# KiCad board ECU.kicad_pcb (continued)
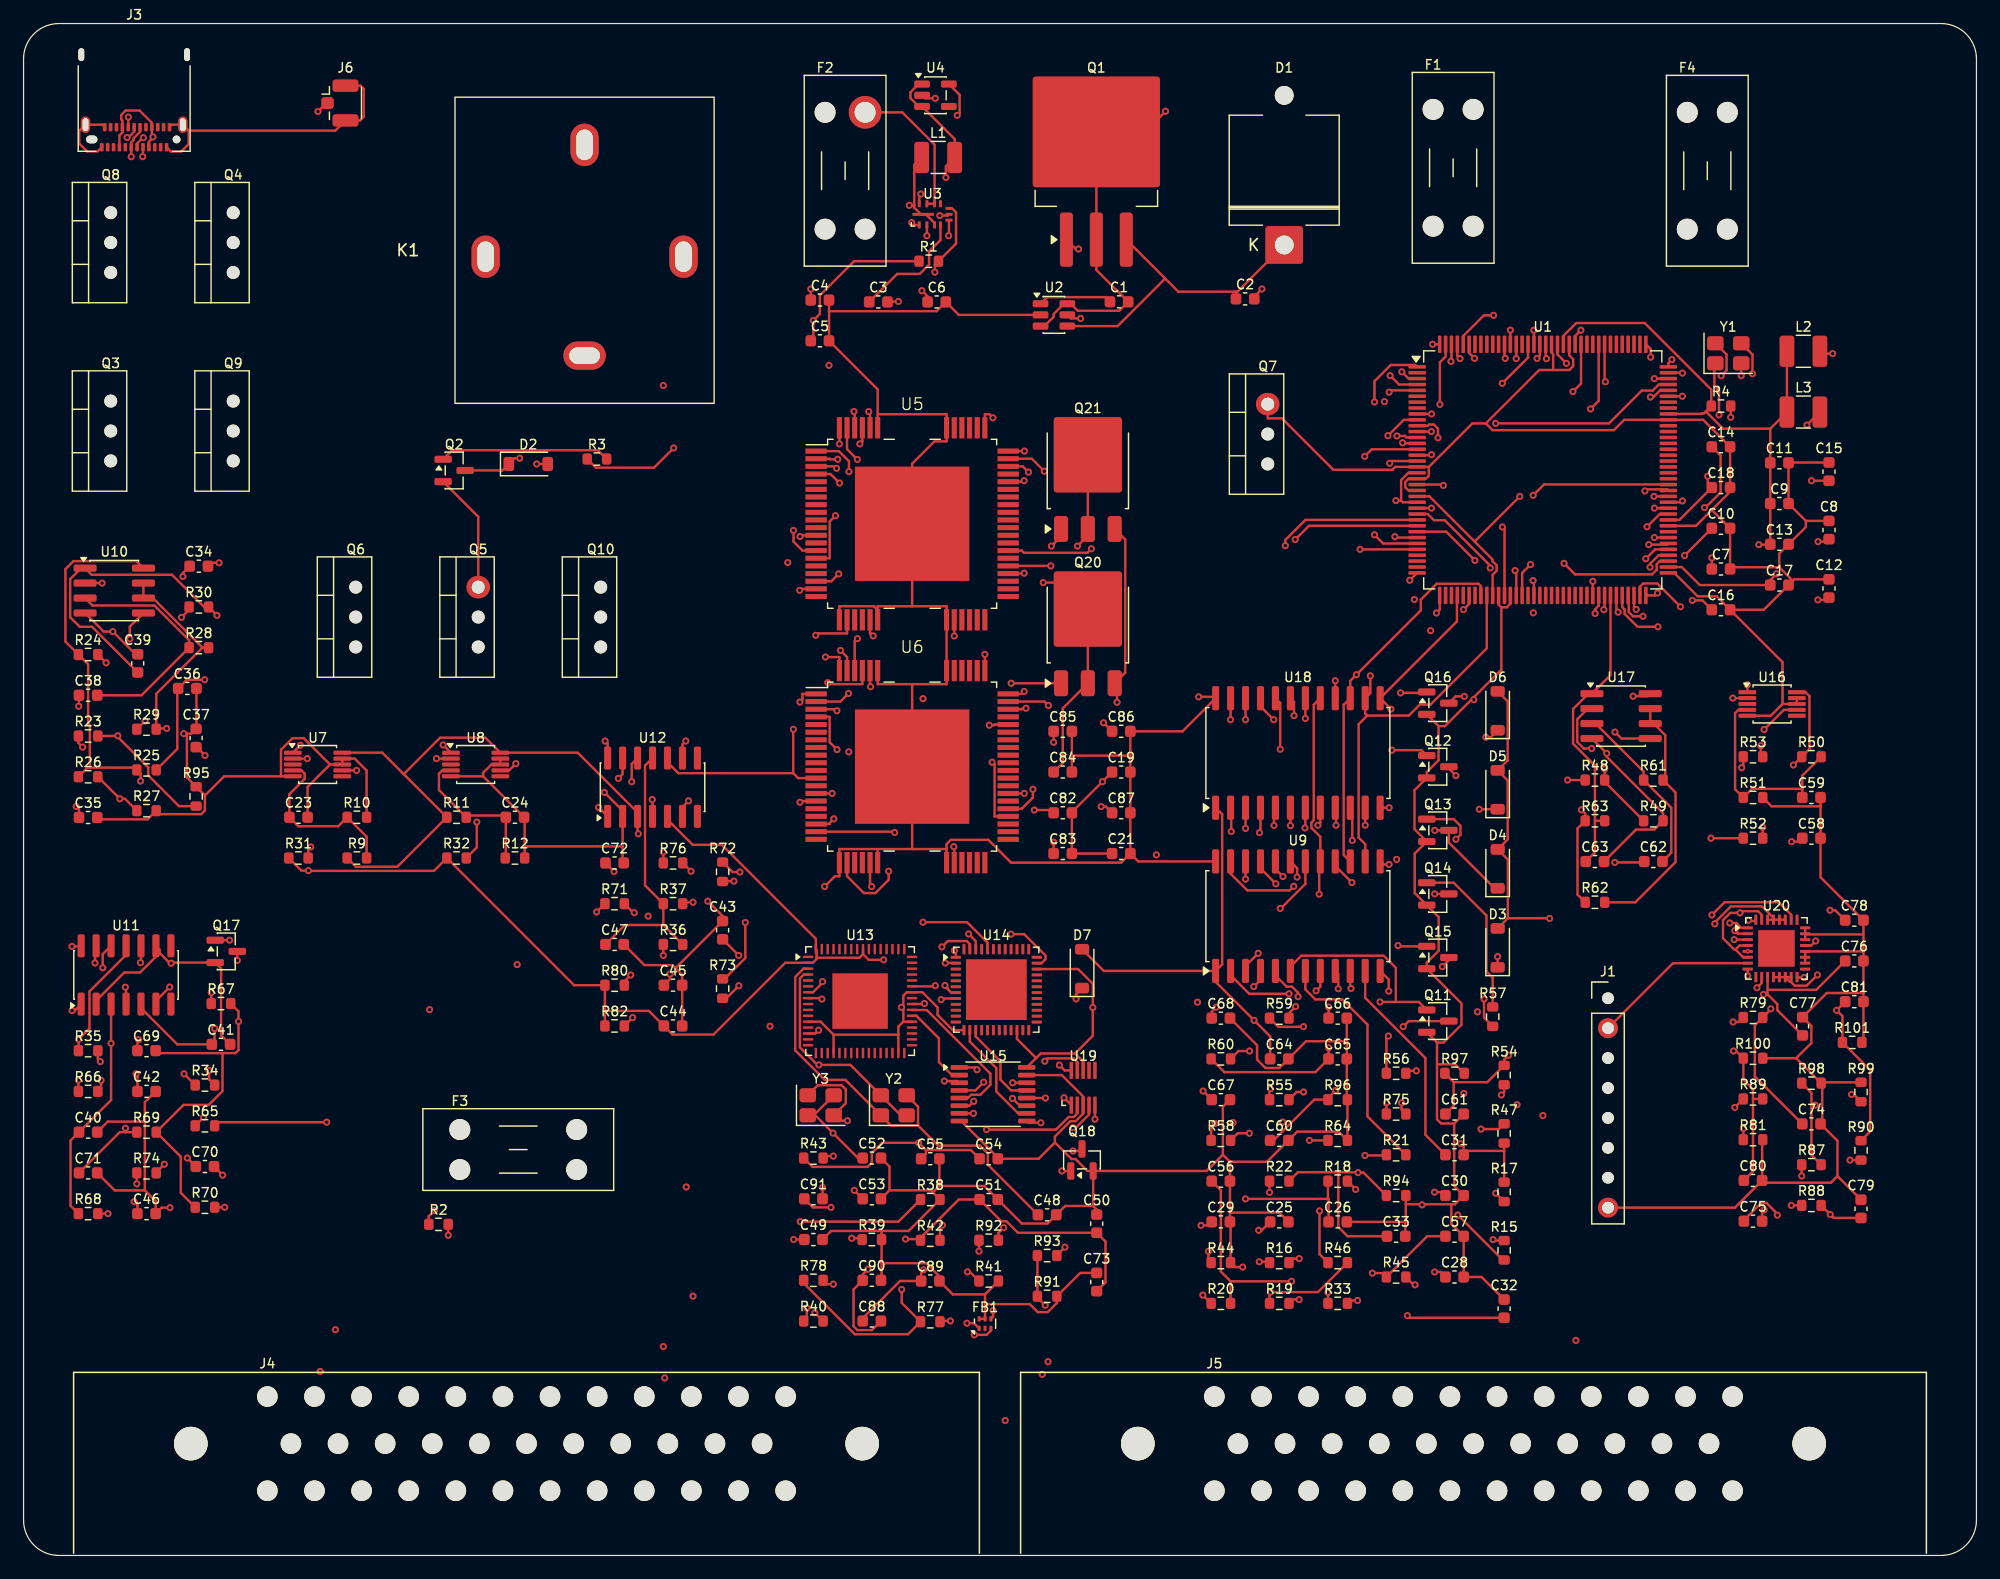
[diagram p0: board, top side]
## Routing (per net, layer and track width the routed paths; a pad name or vN(x,y) marks a point on that pad's centre or on a via; arc(x,y) is an arc through that point) (continued)
FPUMP_CTRL: length 76.6
  Top w0.2: v1(135.38,80.1) 135.23,80.25 U1.67 ; v1(101.15,36.67) 100.83,36.35 R58.1
  In1.Cu w0.2: v1(129,37.35) 129,68.19 135.38,74.57 v1(135.38,80.1)
  In2.Cu w0.2: v1(129,37.35) 101.83,37.35 v1(101.15,36.67)
FPUMP_GATE: length 25.6
  Top w0.2: v1(116.69,51.79) 116.75,51.73 Q15.1 ; v1(104.07,35.85) 103.08,35.85 R58.2
  In3.Cu w0.2: v1(116.69,51.79) 113.56,48.65 113.56,45.06 104.35,35.85 v1(104.07,35.85)
FPUMP_OUT: length 68.8
  Top w0.2: v1(124.15,69.49) 124.56,69.49 D6.1 ; Q15.3 121.01,50.56 v1(120.45,50)
  In3.Cu w0.2: v1(120.45,50) 120.45,22.91 119.5,21.96 119.5,11.93 121.1,10.33 J5.29
  In5.Cu w0.2: v1(120.45,50) 124.15,53.7 v1(124.15,69.49)
FT_DTR_N: length 14.2
  Top w0.2: v1(77.41,48.39) 77.35,48.33 U13.43 ; U15.14 v1(83.98,40.14)
  In3.Cu w0.2: v1(77.41,48.39) 78.05,47.75 78.13,47.75 78.45,47.43 78.45,47.35 83.98,41.82 v1(83.98,40.14)
FT_OSC_A: length 37.5
  Top w0.2: 75.94,36.51 77.65,34.8 81.2,34.8 81.87,34.13 81.87,33.18 C48.1 ; 75.94,36.51 75.94,38.11 Y2.3 ; 75.94,36.51 73.65,36.51 Y2.1 69.78,40.38 68.03,40.38 65.51,42.89 65.51,49.12 66.22,49.83 U13.3
FT_OSC_B: length 34.8
  Top w0.2: U13.4 66.24,49.33 65.91,49 65.91,43.14 67.4,41.66 v1(67.53,41.66) 70.2,41.66 Y2.4 74.48,37.38 Y2.2 ; 66.28,26.83 v1(65.38,26.83)
  In3.Cu w0.2: v1(67.53,41.66) 65.38,39.5 v1(65.38,26.83)
FT_RESET_N: length 23.3
  Top w0.2: R42.2 77.8,27.85 v1(78.01,28.05) ; U13.14 67.22,44.33 v1(67.5,44.6)
  In3.Cu w0.2: v1(67.5,44.6) 78.01,34.1 v1(78.01,28.05)
FT_RTS_N: length 13.7
  Top w0.2: U15.11 84.58,38.19 v1(83.96,38.81) ; U13.40 76.45,46.83 v1(76.49,46.87)
  In3.Cu w0.2: v1(76.49,46.87) 76.49,46.62 83.96,39.16 v1(83.96,38.81)
FT_RXD: length 12.9
  Top w0.2: U13.39 75.44,46.32 76.68,46.32 82.08,40.91 82.08,39.97 81.23,39.12 80.45,39.12 80.17,38.84 U15.5
FT_TXD: length 7.3
  Top w0.2: U13.38 75.8,45.83 77.72,43.91 77.72,41.89 78.81,40.79 U15.2
FUELP_ADC: length 52.4
  Top w0.2: R97.1 121.42,40.19 ; 121.42,40.19 121.42,38.19 C61.1 ; 121.42,40.19 124.27,40.19 R54.2 125.7,42.1 v1(126.08,42.48) ; U1.65 134.23,80.38 v1(134.16,80.31)
  In1.Cu w0.2: v1(126.08,42.48) 126.08,71.65 134.16,79.73 v1(134.16,80.31)
FUELP_SIG: length 31.2
  Top w0.2: R54.1 125.7,39.34 v1(125.47,39.11)
  In3.Cu w0.2: v1(125.47,39.11) 125.47,38.82 127.1,37.19 J5.19
GATE_DRV1: length 8.6
  Top w0.2: Q1.1 89.33,110.94 v1(89.57,110.94) ; U2.5 88.92,105.05 v1(89.74,105.05)
  In3.Cu w0.2: v1(89.74,105.05) 89.57,105.22 v1(89.57,110.94)
HTR2_CTRL: length 70.2
  Top w0.2: U1.88 139.63,90.95 129.09,90.95 v1(128.16,90.03) ; R75.1 v1(115.71,38.44)
  In5.Cu w0.2: v1(128.16,90.03) 127.2,89.06 127.2,48.78 117.74,39.32 116.59,39.32 v1(115.71,38.44)
HTR2_DRAIN: length 130.6
  Top w0.2: v1(9.62,31.56) R74.1 ; Q17.3 v1(18.15,50.52)
  In3.Cu w0.2: v1(9.62,31.56) 9.62,39.6 18.15,48.13 v1(18.15,50.52)
  In6.Cu w0.2: v1(9.62,31.56) 12.43,28.74 35.12,28.74 35.3,28.92 80.55,28.92 103.97,5.5 J5.25
HTR2_DRAIN_SENSE: length 111.5
  Top w0.2: v1(108.79,61.78) 108.83,61.82 U18.7 ; R74.2 11.27,32.54 v1(11.95,33.22)
  In4.Cu w0.2: v1(11.95,33.22) 13.19,34.47 81.57,34.47 108.79,61.68 v1(108.79,61.78)
HTR2_GATE: length 125.6
  Top w0.2: Q17.1 v1(17.49,52.25) ; U18.6 107.55,61.98 v1(107.56,61.98) ; v1(116.99,38.43) 116.99,37.85 R75.2
  In1.Cu w0.2: v1(116.99,38.43) 109.29,46.13 109.29,47.14 107.29,49.15 107.29,57.05 107.56,57.32 v1(107.56,61.98)
  In6.Cu w0.2: v1(107.56,61.98) 107.18,61.98 97.42,52.21 80.02,52.21 79.98,52.25 v1(17.49,52.25)
HTR_CTRL: length 79.6
  Top w0.2: v1(110.75,22.34) R33.1 ; U1.12 v1(119.52,95.44)
  In3.Cu w0.2: v1(110.75,22.34) 114.43,26.03 114.43,34.2 113.91,34.72 113.91,48.22 117.48,51.79 117.48,73.49 117.09,73.88 117.09,91.93 119.52,94.36 v1(119.52,95.44)
HTR_DRAIN: length 47.1
  Top w0.2: v1(113.88,33.97) 115.65,33.97 R21.1 ; v1(117.13,44.91) 117.6,45.38 Q11.3
  In3.Cu w0.2: J5.13 103.1,21.55 111.13,29.59 111.13,31.22 v1(113.88,33.97)
  In5.Cu w0.2: v1(117.13,44.91) 117.13,44.59 113.88,41.34 v1(113.88,33.97)
HTR_DRAIN_SENSE: length 20.5
  Top w0.2: U9.7 108.83,48.07 109.67,47.22 111.96,47.22 114.1,45.08 114.1,37.28 R21.2
HTR_GATE: length 45.8
  Top w0.2: 116.51,47 116.51,49.9 115.48,50.93 108.48,50.93 107.55,50 U9.6 ; 116.51,47 v1(115.16,47) ; 116.51,47 118.46,47 Q11.1 ; R33.2 112.64,21.65 v1(113.26,21.65)
  In5.Cu w0.2: v1(115.16,47) 113.33,45.17 113.33,33.26 115.07,31.52 115.07,23.46 v1(113.26,21.65)
IAT_ADC: length 225.5
  Top w0.2: U1.76 138.82,84.94 138.09,84.2 v1(138.09,83.92) ; v1(4.48,63.59) 4.71,63.37 C35.1 ; R24.2 v1(7.01,75.8)
  In3.Cu w0.2: v1(4.48,63.59) 7.01,66.13 v1(7.01,75.8)
  In4.Cu w0.2: 128.18,80.94 v1(128.18,80.05) ; 128.18,80.94 128.18,80.94 133.03,80.94 136.02,83.92 v1(138.09,83.92) ; 128.18,80.94 118.61,80.94 118.3,80.63 88.42,80.63 82.46,74.67 68.05,74.67 67.17,73.8 9.01,73.8 v1(7.01,75.8)
  In5.Cu w0.2: v1(128.18,80.05) 128.18,24.57 J5.5
IDLE_CTRL: length 59.5
  Top w0.2: v1(125.79,101.66) 125.73,101.72 U1.133 ; v1(123.99,47.25) 123.99,45.67 124.73,44.93
  In5.Cu w0.2: v1(125.79,101.66) 126.46,100.99 126.46,85.21 125.93,84.68 125.93,49.19 v1(123.99,47.25)
IDLE_GATE: length 14.2
  Top w0.2: Q14.1 121.42,57.13 124.19,54.35 124.19,49.6 124.73,49.06 R57.2
IDLE_OUT: length 67.7
  Top w0.2: v1(119.81,56.18) Q14.3 ; D5.1 v1(123.59,63.37)
  In1.Cu w0.2: v1(119.81,56.18) 123.59,59.96 v1(123.59,63.37)
  In3.Cu w0.2: v1(119.81,56.18) 119.81,53.13 114.61,47.93 114.61,35.01 115.14,34.49 115.14,25.38 113.96,24.2 113.96,23.75 115.02,22.69 115.02,11.76 113.52,10.26 113.52,8.84 116.86,5.5 J5.28
IGN1_COIL: length 95.1
  In5.Cu w0.2: Q3.2 7.4,94.28 8.44,94.28 9.57,93.15 9.57,72.49 9.34,72.26 9.34,49.74 27.03,32.06 27.03,9.82 J4.14
IGN1_CTRL: length 67.6
  Top w0.2: U1.143 120.73,101.81 120.25,101.32 v1(120.25,97.75) ; v1(65.89,81.96) 66.02,82.08 U5.19
  In2.Cu w0.2: v1(65.89,81.96) 70.74,81.96 81.33,92.55 86.36,92.55 90.31,96.5 118.3,96.5 119.55,97.75 v1(120.25,97.75)
IGN1_GATE: length 70.6
  Top w0.2: v1(67.26,78.14) 67.42,78.3 69.91,78.3 U5.22
  In4.Cu w0.2: v1(67.26,78.14) 58.66,86.73 12.41,86.73 7.4,91.74 Q3.1
IGN2_COIL: length 112
  In1.Cu w0.2: J4.15 30.7,32.64 35.61,37.55 35.61,68.01 34.86,68.77 34.86,94.2 18.78,110.28 17.8,110.28 Q4.2
IGN2_CTRL: length 64
  Top w0.2: v1(121.96,101.63) 121.73,101.86 U1.141 ; v1(69.2,83.35) 68.58,82.73 67.29,82.73
  In2.Cu w0.2: v1(69.2,83.35) 78.77,92.92 86.05,92.92 92.14,99 115.38,99 115.71,99.34 119.91,99.34 121.96,101.39 v1(121.96,101.63)
IGN2_GATE: length 59.7
  Top w0.2: 70.57,95.76 70.57,96.91 70.5,96.98 v1(70.5,97.14)
  In2.Cu w0.2: Q4.1 17.8,107.74 28.4,97.14 v1(70.5,97.14)
IGN3_COIL: length 75.5
  In1.Cu w0.2: J4.16 34.48,9.5 31.09,12.88 31.09,32.54 37.26,38.71 37.26,78.18 37.56,78.48 38.6,78.48 Q5.2
IGN3_CTRL: length 64.1
  Top w0.2: U5.15 68.44,84.68 68.44,87.8 v1(68.93,88.29) ; U1.142 121.23,101.44 v1(121.18,101.39)
  In6.Cu w0.2: v1(68.93,88.29) 80.45,88.29 84.73,92.57 86.38,92.57 87.71,93.9 112.99,93.9 120.48,101.39 v1(121.18,101.39)
IGN3_GATE: length 43.3
  Top w0.2: U5.63 69.91,93.94 v1(70.78,93.07)
  In2.Cu w0.2: v1(70.78,93.07) 70.78,91.73 69.09,90.03 67,90.03 55.32,78.35 38.6,78.35 Q5.1
IGN4_COIL: length 75.4
  In3.Cu w0.2: Q6.2 28.2,78.48 29.18,78.48 37.81,69.85 37.81,63.82 39.07,62.56 39.07,9.87 J4.17
IGN4_CTRL: length 62.7
  Top w0.2: U1.3 117.59,99.94 v1(117.02,100.51) ; 67.29,85.33 66.13,85.33 65.37,86.09 v1(65.37,87.04)
  In6.Cu w0.2: v1(117.02,100.51) 117.02,100.41 115.95,99.34 92.46,99.34 86.04,92.92 84.59,92.92 83.14,91.48 69.85,91.48 69.71,91.62 68.98,91.62 65.37,88.01 v1(65.37,87.04)
IGN4_GATE: length 50.3
  Top w0.2: 69.27,95.76 v1(69.27,94.39)
  In6.Cu w0.2: Q6.1 28.2,78.35 53.22,78.35 v1(69.27,94.39)
IGN5_COIL: length 112.7
  In1.Cu w0.2: J4.18 42.7,19 56.7,33 56.7,47.77 104.15,95.23 Q7.2
IGN5_CTRL: length 68.6
  Top w0.2: v1(73.96,61.4) 73.89,61.46 U6.19 ; U1.4 116.78,99.44 v1(116.02,100.19)
  In1.Cu w0.2: v1(116.02,100.19) 115.65,100.19 109.42,93.96 104.55,93.96 73.96,63.36 v1(73.96,61.4)
IGN5_GATE: length 54.6
  Top w0.2: v1(73.45,58.11) 73.45,57.38 72.32,56.25 71.35,56.25 69.91,57.68 U6.22
  In1.Cu w0.2: Q7.1 105.63,89.94 73.8,58.11 v1(73.45,58.11)
IGN6_COIL: length 121.3
  In5.Cu w0.2: Q8.2 7.4,110.28 8.38,110.28 14.15,104.51 14.15,46 38.7,21.46 38.7,13.27 40.88,11.09 45.1,11.09 J4.19
IGN6_CTRL: length 60.1
  Top w0.2: v1(68.79,62.55) 68.44,62.2 68.44,62.11 67.29,62.11 ; U1.36 v1(117.69,82.81)
  In2.Cu w0.2: v1(68.79,62.55) 76.2,69.95 102.24,69.95 103.19,70.91 103.19,71.21 114.8,82.81 v1(117.69,82.81)
IGN6_GATE: length 79.8
  Top w0.2: 70.57,75.14 70.57,77.62 v1(70.79,77.85)
  In4.Cu w0.2: Q8.1 7.4,107.74 15.34,99.81 48.61,99.81 64.65,83.76 64.89,83.76 v1(70.79,77.85)
IGN7_COIL: length 100.3
  In5.Cu w0.2: Q9.2 17.8,94.43 18.67,94.43 19.35,93.74 19.35,42.39 46.7,15.05 46.7,13.28 50.48,9.5 J4.20
IGN7_CTRL: length 63.7
  Top w0.2: U6.15 66.02,64.06 v1(65.92,63.96) ; U1.37 120.23,80.31 v1(119.95,80.03)
  In4.Cu w0.2: v1(65.92,63.96) 76.34,63.96 92.3,79.93 119.85,79.93 v1(119.95,80.03)
IGN7_GATE: length 60.9
  Top w0.2: v1(69.35,76.85) 69.91,76.29 U6.63
  In4.Cu w0.2: v1(69.35,76.85) 54.47,91.74 17.8,91.74 Q9.1
IGN8_COIL: length 73.4
  In3.Cu w0.2: v1(53.03,54.29) 53.03,17.26 54.99,15.3 54.99,9.78 J4.21
  In5.Cu w0.2: Q10.2 49,78.48 49.98,78.48 52.75,75.71 52.75,55.28 53.03,55 v1(53.03,54.29)
IGN8_CTRL: length 98.1
  Top w0.2: 67.29,64.71 v1(68.65,64.71) ; U1.131 v1(126.73,101.63)
  In1.Cu w0.2: v1(68.38,101.06) 68.38,88.07 68.65,87.8 68.65,74.53 68.83,74.35 68.83,73.89 68.51,73.57 68.51,64.85 v1(68.65,64.71)
  In4.Cu w0.2: v1(68.38,101.06) 117.25,101.06 117.54,100.77 125.87,100.77 v1(126.73,101.63)
IGN8_GATE: length 22.8
  Top w0.2: 69.27,75.14 69.27,76.29 v1(68.08,76.29)
  In2.Cu w0.2: v1(68.08,76.29) 67.73,75.94 49,75.94 Q10.1
INJ1_CTRL: length 62.1
  Top w0.2: U1.104 138.94,98.94 138.37,98.37 v1(138.11,98.37) ; v1(90.66,85.48) 90.32,85.15 84.93,85.15 84.75,85.33 83.59,85.33
  In4.Cu w0.2: v1(90.66,85.48) 91,85.15 109.53,85.15 116.58,92.19 131.94,92.19 v1(138.11,98.37)
INJ1_LO: length 100.2
  Top w0.2: 71.86,95.76 71.86,97.03 v1(71.76,97.14)
  In1.Cu w0.2: v1(71.76,97.14) 70.23,95.61 70.23,92.66 70.63,92.26 70.63,88.91 70.24,88.53 70.24,73.78 70.61,73.41 70.61,65.33 55.56,50.28 55.56,32.36 36.7,13.5 J4.5
INJ2_CTRL: length 62.3
  Top w0.2: v1(84.95,91.27) 84.83,91.27 84.75,91.18 83.59,91.18 ; U1.107 140.8,100.44 v1(140.83,100.4)
  In2.Cu w0.2: v1(140.83,100.4) 140.83,100.31 132.12,91.59 113.73,91.59 113.4,91.27 v1(84.95,91.27)
INJ2_LO: length 95.7
  Top w0.2: U5.61 71.22,94.61 v1(71,94.39)
  In3.Cu w0.2: J4.6 42.65,15.44 42.65,67.41 69.03,93.79 70.4,93.79 v1(71,94.39)
INJ3_CTRL: length 65
  Top w0.2: v1(139.94,101.55) 139.64,101.25 U1.108 ; 83.59,84.03 87.21,84.03 v1(87.22,84.03)
  In6.Cu w0.2: v1(139.94,101.55) 139.18,102.31 133.98,102.31 115.7,84.03 v1(87.22,84.03)
INJ3_LO: length 77.5
  Top w0.2: v1(72.13,78.09) 71.92,78.3 71.86,78.3 71.86,79.45
  In3.Cu w0.2: J4.7 44.7,48.72 65.57,69.59 65.57,69.59 68.83,72.84 68.83,74.78 v1(72.13,78.09)
INJ4_CTRL: length 36.5
  Top w0.2: U1.31 115.43,85.94 v1(114.7,86.67) ; U5.36 84.92,83.38 v1(84.95,83.41)
  In2.Cu w0.2: v1(114.7,86.67) 114.54,86.82 89.15,86.82 87.43,85.1 86.64,85.1 v1(84.95,83.41)
INJ4_LO: length 81.4
  Top w0.2: v1(79.02,78.08) 79.02,79.45
  In3.Cu w0.2: v1(79.02,78.08) 74.1,78.08 69.49,73.47 69.49,73.01 65.72,69.24 65.72,69.24 48.7,52.22 J4.8
INJ5_CTRL: length 43.5
  Top w0.2: U1.32 v1(113.47,85.44) ; 83.59,64.71 v1(84.96,64.71)
  In5.Cu w0.2: v1(84.96,64.71) 85.21,64.46 92.5,64.46 v1(113.47,85.44)
INJ5_LO: length 70.1
  Top w0.2: 71.86,75.14 71.86,73.82 v1(71.91,73.77)
  In3.Cu w0.2: J4.9 52.48,13.72 52.48,54.77 60.38,62.67 60.81,62.67 v1(71.91,73.77)
INJ6_CTRL: length 67.2
  Top w0.2: v1(137.83,87.35) 138.91,88.44 U1.83 ; 83.59,70.56 82.44,70.56 82.38,70.5 v1(81.99,70.5)
  In6.Cu w0.2: v1(81.99,70.5) 82.88,71.39 92.96,71.39 93.83,72.25 111.9,72.25 113.79,74.14 125.45,74.14 137.83,86.52 v1(137.83,87.35)
INJ6_LO: length 69.6
  Top w0.2: U6.61 71.22,73.99 68.41,73.99 v1(68.28,74.12)
  In3.Cu w0.2: J4.10 63.38,20.17 v1(63.38,44.94)
  In5.Cu w0.2: v1(68.28,74.12) 67.37,73.22 67.37,49.05 63.38,45.06 v1(63.38,44.94)
INJ7_CTRL: length 69.7
  Top w0.2: U1.85 140.72,89.44 v1(140.83,89.55) ; v1(85.69,65.06) 85.69,64.36 84.75,63.41 83.59,63.41
  In2.Cu w0.2: v1(140.83,89.55) 139.2,87.91 136.82,87.91 128.41,79.5 128.07,79.5 113.63,65.06 v1(85.69,65.06)
INJ7_LO: length 50.1
  Top w0.2: 71.86,58.83 71.86,56.94 v1(72,56.8)
  In1.Cu w0.2: v1(72,56.8) 60.7,45.5 J4.11
INJ8_CTRL: length 72.9
  Top w0.2: v1(137.65,90.4) 137.79,90.53 139.54,90.53 U1.87 ; U6.36 82.44,62.76 82.44,67.15 v1(82.23,67.36)
  In2.Cu w0.2: v1(82.23,67.36) 100.96,67.36 115.77,82.17 123.79,82.17 132.02,90.4 v1(137.65,90.4)
INJ8_LO: length 54.3
  Top w0.2: v1(78.98,60.19) 79.02,60.15 79.02,58.83
  In1.Cu w0.2: J4.12 64.7,46.38 78.51,60.19 v1(78.98,60.19)
JTAG_TCK: length 63.2
  Top w0.2: v1(128.5,101.65) 128.73,101.88 U1.127
  In5.Cu w0.2: J1.3 128.73,48.03 128.73,101.42 v1(128.5,101.65)
JTAG_TDI: length 69.4
  Top w0.2: U1.126 129.23,101.69 v1(129.29,101.63)
  In5.Cu w0.2: J1.5 136.02,38.65 136.02,72.33 135.75,72.6 135.75,79.7 135.93,79.87 135.93,95.24 129.54,101.63 v1(129.29,101.63)
JTAG_TDO: length 73.5
  Top w0.2: v1(132.22,104.05) 131.73,103.56 U1.121
  In5.Cu w0.2: J1.6 136.37,36.46 136.37,72.47 136.1,72.74 136.1,79.55 136.28,79.73 136.28,99.98 v1(132.22,104.05)
JTAG_TMS: length 65.6
  Top w0.2: U1.120 132.23,99.52 v1(131.54,98.83)
  In5.Cu w0.2: v1(131.54,98.83) 131.54,76.31 135.66,72.18 135.66,40.84 J1.4
KNOCK2_ADC: length 26
  Top w0.2: 133.41,62.39 133.41,67.07 131.55,68.93 131.55,71.88 132.85,73.18 U17.1 134.73,74.76 U1.66 ; 133.41,62.39 R63.2 ; 133.41,62.39 133.41,59.7 C63.1
KNOCK2_BIAS: length 15
  Top w0.2: C62.2 139.89,59.67 139.89,63.5 137.54,65.85 137.54,66.56 133.46,70.64 U17.3
KNOCK2_FB: length 19.1
  Top w0.2: R62.1 131.93,56.12 131.93,61.73 R63.1 132.59,62.99 v1(132.26,63.32) ; U17.2 132.8,71.91 131.91,71.01 131.91,69.08 132.46,68.53 v1(133.13,68.53)
  In1.Cu w0.2: v1(132.26,63.32) 132.26,67.65 v1(133.13,68.53)
KNOCK2_MID: length 21.7
  Top w0.2: R62.2 136.84,55.47 140.25,58.88 140.25,64.79 R61.2 139.38,66.03 139.38,69.66 138.4,70.64 138.1,70.64 138.1,71.91
KNOCK2_SIG: length 53.5
  Top w0.2: C62.1 137.52,58.85 v1(135.1,58.85)
  In3.Cu w0.2: v1(135.1,58.85) 131.1,54.85 J5.20
KNOCK_ADC: length 143.2
  Top w0.2: C39.1 5.81,78.86 4.77,78.86 3.96,79.67 3.96,82.91 4.89,83.84 5.22,83.84 5.79,83.28 12.6,83.28 15.33,80.55 R30.2 v1(16.42,79.83) ; U1.53 128.23,82.71 v1(128.15,82.79)
  In4.Cu w0.2: v1(128.15,82.79) 127.1,81.73 88.53,81.73 82.35,75.55 20.7,75.55 v1(16.42,79.83)
KNOCK_BIAS: length 20.4
  Top w0.2: C38.2 10.02,73.05 R28.1 14.06,77.72 11.11,80.67 5.86,80.67 5.22,81.3
KNOCK_FB: length 21.6
  Top w0.2: v1(13.4,79.66) 14.06,80.31 R30.1 ; R29.1 v1(10.32,70.87) ; v1(6.67,82.57) 5.22,82.57
  In2.Cu w0.2: v1(6.67,82.57) 9.58,79.66 v1(13.4,79.66)
  In5.Cu w0.2: v1(13.4,79.66) 10.32,76.57 v1(10.32,70.87)
KNOCK_MID: length 147.8
  Top w0.2: 15.18,77.09 11.27,73.17 R29.2 11.33,70.23 v1(12.15,70.23) ; 15.18,77.09 R28.2 ; 15.18,77.09 15.18,77.1 10.98,81.3 U10.6 U10.7 ; v1(135.11,69.92) 135.66,69.37 138.1,69.37
  In4.Cu w0.2: v1(12.15,70.23) 13.15,69.23 15.79,69.23 15.97,69.41 36.76,69.41 38.32,67.85 69.67,67.85 v1(70.06,68.24)
  In6.Cu w0.2: v1(70.06,68.24) 98.82,68.24 102.49,71.9 111.45,71.9 112.47,70.88 134.15,70.88 v1(135.11,69.92)
KNOCK_MID_RAW: length 30.9
  Top w0.2: R27.1 8.61,64.25 v1(8.18,64.25) R26.2 ; U10.5 9.02,78.88 v1(9.02,77.83) ; C37.1 14.7,68.64 v1(15.4,67.94)
  In5.Cu w0.2: v1(9.02,77.83) 8.91,77.72 8.91,64.99 v1(8.18,64.25)
  In6.Cu w0.2: v1(15.4,67.94) 11.72,64.25 v1(8.18,64.25)
KNOCK_SIG: length 166.7
  Top w0.2: C38.1 4.71,72.14 v1(4.68,72.12)
  In1.Cu w0.2: v1(25.18,15.63) 25.18,51.62 v1(4.68,72.12)
  In4.Cu w0.2: J5.7 123.21,15.38 v1(86.48,15.38)
  In6.Cu w0.2: v1(86.48,15.38) 86.24,15.63 v1(25.18,15.63)
L9779_CP_0: length 41.2
  Top w0.2: 67.29,93.78 69.22,93.78 70.08,92.92 v1(70.08,92.03) ; v1(85.82,63.3) 87.22,63.3 C82.1
  In3.Cu w0.2: v1(70.08,92.03) 81.04,81.07 81.04,67.74 85.48,63.3 v1(85.82,63.3)
L9779_CP_1: length 30.4
  Top w0.2: 67.29,73.16 66.13,73.16 66.13,72.69 v1(65.91,72.47) ; v1(87.46,60.56) C83.1
  In6.Cu w0.2: v1(65.91,72.47) 65.91,70.78 75.75,60.94 87.08,60.94 v1(87.46,60.56)
L9779_V3V3_0: length 34.2
  Top w0.2: v1(69.27,91.07) 68.51,91.83 U5.4 ; v1(91.69,70.71) C86.1
  In5.Cu w0.2: v1(69.27,91.07) 71.33,91.07 v1(91.69,70.71)
L9779_V3V3_1: length 30.5
  Top w0.2: v1(91.49,63.59) 91.89,63.59 C87.1 ; U6.4 68.44,71.21 68.44,69.05 v1(69.06,68.43)
  In6.Cu w0.2: v1(69.06,68.43) 74.76,62.73 90.62,62.73 v1(91.49,63.59)
L9779_VDD5_0: length 44.5
  Top w0.2: v1(86.57,82.62) 88.11,82.62 Q20.2 Q20.2 88.23,71.94 88.23,67.3 C84.1 ; v1(69.03,92.32) 68.87,92.48 67.29,92.48
  In4.Cu w0.2: v1(86.57,82.62) 76.88,82.62 68.72,90.78 68.72,92 v1(69.03,92.32)
L9779_VDD5_1: length 47.9
  Top w0.2: v1(89.47,85.72) 90.36,86.6 Q21.2 Q21.2 ; v1(87.46,69.05) C85.1 ; v1(69.06,71.73) 68.93,71.86 67.29,71.86
  In3.Cu w0.2: v1(89.47,85.72) 89.47,71.07 v1(87.46,69.05)
  In6.Cu w0.2: v1(87.46,69.05) 71.73,69.05 v1(69.06,71.73)
L9779_VDDG_0: length 31.6
  Top w0.2: Q20.1 v1(83.85,74.07) ; v1(69.12,93.08) 68.49,93.08 68.44,93.13 U5.2
  In3.Cu w0.2: v1(69.12,93.08) 69.81,93.08 83.85,79.04 v1(83.85,74.07)
L9779_VDDG_1: length 27.2
  Top w0.2: Q21.1 88.08,86.53 v1(87.26,85.71) ; U6.2 69.35,72.51 v1(70.04,73.2)
  In2.Cu w0.2: v1(70.04,73.2) 82.55,85.71 v1(87.26,85.71)
LIN0_RX: length 79.9
  Top w0.2: v1(114.69,97.95) 114.69,99.71 116.07,101.09 118.16,101.09 U1.1 ; U15.4 80.82,39.49 v1(81.52,40.19)
  In1.Cu w0.2: v1(81.52,40.19) 81.52,63.96 114.69,97.14 v1(114.69,97.95)
LIN0_TX: length 84.5
  Top w0.2: U1.144 v1(119.62,102.85) ; U15.7 v1(80.64,37.54)
  In1.Cu w0.2: v1(119.62,102.85) 119.62,102.3 116.66,99.34 115.3,99.34 114.14,98.18 114.14,97.77 80.79,64.42 80.79,41.87 80.4,41.48 80.4,39.07 80.12,38.8 80.12,38.34 80.4,38.07 80.4,37.78 v1(80.64,37.54)
MAP_ADC: length 89.1
  Top w0.2: C33.1 112.4,27.11 111.62,27.89 111.62,32.54 ; R94.1 113.76,32.51 v1(113.3,32.51) 113.27,32.54 111.62,32.54 ; 111.62,32.54 108.19,32.54 107.44,31.79 ; U1.72 138.53,81.52 v1(138.73,81.73)
  In4.Cu w0.2: v1(119.46,78.53) 129.25,78.53 131.3,80.59 133.24,80.59 134.38,81.73 v1(138.73,81.73)
  In5.Cu w0.2: v1(119.46,78.53) 119.46,68.12 117.13,65.79 117.13,54.12 115.17,52.16 115.17,48.21 112.93,45.97 112.93,32.88 v1(113.3,32.51)
MAP_SIG: length 19.7
  Top w0.2: v1(105.78,30.83) R22.1
  In1.Cu w0.2: v1(105.78,30.83) 109.1,27.52 J5.3
MCU_RESET: length 100.9
  Top w0.2: v1(144.94,96.65) 144.94,97.61 ; U1.21 120.46,90.94 v1(120.54,90.86)
  In2.Cu w0.2: v1(120.54,90.86) 120.63,90.95 139.24,90.95 v1(144.94,96.65)
  In5.Cu w0.2: v1(144.94,96.65) 145.67,95.91 145.67,71.72 145.27,71.32 145.27,63.69 147,61.96 147,48.82 138.34,40.16 138.34,35.89 J1.7
O2_IA: length 63.9
  Top w0.2: U9.4 105.02,48.88 v1(104.45,48.31) ; R16.1 105.71,24.94 v1(104.92,24.94)
  In1.Cu w0.2: v1(104.45,48.31) 103.92,47.78 103.92,45.22 104.64,44.49 104.64,35.64 104.31,35.31 104.31,25.55 v1(104.92,24.94)
  In6.Cu w0.2: v1(104.92,24.94) 105.26,24.59 108.77,24.59 108.84,24.66 126.18,24.66 137.1,13.74 J5.10
O2_IP: length 64.4
  Top w0.2: 107.44,21.41 107.76,21.73 v1(108.29,21.73) ; 107.44,24.87 107.78,25.21 v1(108.3,25.21) ; U9.3 103.75,50.05 v1(104.82,51.13)
  In1.Cu w0.2: v1(104.82,51.13) 105.02,50.93 105.02,28.49 v1(108.3,25.21) 108.3,21.74 v1(108.29,21.73)
  In2.Cu w0.2: J5.9 121.39,25.21 v1(108.3,25.21)
O2_UN: length 83.9
  Top w0.2: 102.47,23.28 v1(107.65,23.28) ; 102.47,23.28 R20.2 ; 102.47,23.28 101.65,24.11 101.65,31.01 C56.1 ; 125.7,34.35 122.27,34.35 ; 125.7,34.35 R17.2 ; 125.7,34.35 R47.1 ; 122.27,34.35 122.27,34.72 v1(122.01,34.97) ; 122.27,34.35 C31.2 ; v1(111.61,48.12) 111.61,49.39 111.36,49.64 ; R45.2 118.02,22.98 v1(118.14,22.98)
  In1.Cu w0.2: 122.01,22.98 122.32,23.29 122.32,34.66 v1(122.01,34.97) 122.01,38.21 118.52,41.71 117.49,41.71 111.61,47.58 v1(111.61,48.12) ; 122.01,22.98 122.01,20.59 J5.8 ; 122.01,22.98 v1(118.14,22.98)
  In6.Cu w0.2: v1(107.65,23.28) 107.96,22.98 v1(118.14,22.98)
O2_UP: length 65.4
  Top w0.2: R19.1 105.78,22.36 v1(105.86,22.36) 109.89,22.36 R46.2 ; v1(123.74,36.21) 125.25,36.21 125.7,36.66 ; 106.28,58.94 106.28,58.29 v1(106.92,57.65)
  In2.Cu w0.2: v1(123.74,36.21) 123.14,36.8 v1(106.9,36.8)
  In5.Cu w0.2: 106.89,36.8 v1(106.9,36.8) ; 106.89,36.8 106.89,47.92 107.25,48.28 107.25,57.33 v1(106.92,57.65) ; 106.89,36.8 106.89,23.39 v1(105.86,22.36)
O2_US: length 35.9
  Top w0.2: v1(110.03,29.26) 110.03,25.58 R46.1 ; U9.19 108.12,58.37 v1(108.12,57.61)
  In5.Cu w0.2: v1(110.03,29.26) 108.1,31.18 108.1,45.26 108.76,45.91 108.76,56.97 v1(108.12,57.61)
O2_VM: length 86
  Top w0.2: U9.18 108.83,57.03 106.74,54.94 v1(106.69,54.94) ; v1(100.12,22.11) R20.1
  In4.Cu w0.2: v1(100.12,22.11) 102.42,19.82 134.78,19.82 J5.11
  In5.Cu w0.2: v1(100.12,22.11) 100.14,22.11 106.35,28.32 106.35,37.03 106.53,37.22 106.53,54.78 v1(106.69,54.94)
O2B_IA: length 162.3
  Top w0.2: v1(104.93,61.38) 105.02,61.46 U18.4 ; R66.1 v1(4.66,40.37)
  In1.Cu w0.2: J5.24 101.1,10.03 102.69,11.62 v1(102.69,36.77)
  In5.Cu w0.2: v1(104.93,61.38) 102.69,59.13 v1(102.69,36.77)
  In6.Cu w0.2: v1(4.66,40.37) 4.66,40.93 6.29,42.56 96.04,42.56 101.84,36.77 v1(102.69,36.77)
O2B_IP: length 196.8
  Top w0.2: 51.01,55.35 51.77,54.59 v1(51.84,54.59) ; U18.3 v1(103.75,61.74) ; R66.2 6.58,39.68 v1(6.58,40.34)
  In1.Cu w0.2: v1(103.75,61.74) 105.37,60.11 105.37,42.51 106.43,41.45 106.43,37.12 106.35,37.03 106.35,31.02 113.81,23.55 113.81,20.31 119.1,15.03 119.1,13.27 121.28,11.09 123.72,11.09 125.1,9.71 125.1,7.86 127.1,5.86 127.1,5.26 128.48,3.88 133.76,3.88 135.1,5.22 135.1,5.71 136.76,7.37 140.98,7.37 J5.23
  In2.Cu w0.2: v1(103.75,61.74) 96.85,54.84 52.1,54.84 v1(51.84,54.59)
  In4.Cu w0.2: v1(6.58,40.34) 37.6,40.34 v1(51.84,54.59)
O2B_UN: length 198.6
  Top w0.2: 16.89,42.66 11.42,42.66 C69.2 ; 16.89,42.66 18,42.66 18.25,42.91 v1(18.25,45.35) 18.25,46.2 R67.2 ; 16.89,42.66 16.89,39.43 15.72,38.26 13.58,38.26 R69.2 13.35,33.86 13.35,30.79 R70.1 ; 111.36,63.5 111.43,63.43 v1(111.43,62.01) ; v1(60.82,58.03) 60.2,58.03 59.35,58.88 ; v1(50.14,58.07) C72.1
  In1.Cu w0.2: v1(111.43,62.01) 111.43,50.34 114.61,47.16 114.61,46.65 116.9,44.35 117.95,44.35 122.83,39.47 122.83,39 135.1,26.74 J5.21
  In2.Cu w0.2: v1(60.82,58.03) 61.01,58.23 72.8,58.23 73.22,58.66 98.9,58.66 102.58,62.33 104.78,62.33 105.93,61.18 110.6,61.18 v1(111.43,62.01)
  In4.Cu w0.2: v1(50.14,58.07) 50.14,57.62 37.87,45.35 v1(18.25,45.35)
  In6.Cu w0.2: v1(60.82,58.03) 57.41,58.03 56.86,57.49 50.72,57.49 v1(50.14,58.07)
O2B_UP: length 120.4
  Top w0.2: v1(106.69,68.46) 106.69,72.39 106.28,72.8 ; R73.2 59.51,48.96 61.28,50.73 v1(61.28,53.75) ; R71.1 v1(48.65,54.64) ; R70.2 v1(17.08,29.57)
  In2.Cu w0.2: v1(48.65,54.64) 41.98,54.64 17.08,29.74 v1(17.08,29.57)
  In6.Cu w0.2: 61.28,56.16 50.17,56.16 v1(48.65,54.64) ; 61.28,56.16 66.57,56.16 67.79,57.38 72.9,57.38 73.08,57.19 95.42,57.19 v1(106.69,68.46) ; 61.28,56.16 v1(61.28,53.75)
O2B_US: length 60.4
  Top w0.2: 59.35,47.31 59.66,47.31 v1(60.73,48.38) ; v1(107.86,71.32) 107.86,72.49 U18.19
  In4.Cu w0.2: v1(107.86,71.32) 107.65,71.52 93.43,71.52 85.76,63.85 85.51,63.85 69.84,48.18 60.93,48.18 v1(60.73,48.38)
O2B_VM: length 131.2
  Top w0.2: v1(60.31,57.26) 59.38,57.26 R72.1 ; U18.18 v1(108.83,71.08)
  In1.Cu w0.2: v1(108.83,71.08) 112.21,67.69 112.21,50.81 123.18,39.85 123.18,39.23 139.1,23.32 J5.22
  In6.Cu w0.2: v1(108.83,71.08) 108.53,71.08 105.87,68.42 105.87,68.41 95.01,57.54 73.23,57.54 73.04,57.73 67.49,57.73 67.02,57.26 v1(60.31,57.26)
OILP_ADC: length 78.4
  Top w0.2: C60.1 106.12,35.25 109.58,38.71 R96.1 110.75,38.83 v1(111.4,39.48) ; v1(133.42,79.99) 133.42,80.35 133.73,80.66 U1.64 ; R53.2 147.5,67.99 v1(147.5,68.76)
  In2.Cu w0.2: v1(147.5,68.76) 144.65,68.76 137.51,75.9 ; v1(116.58,59.11) 120.71,59.11 137.51,75.9 ; 137.51,75.9 v1(133.42,79.99)
  In5.Cu w0.2: v1(111.4,39.48) 111.4,45.11 113.45,47.16 113.45,55.04 116.58,58.17 v1(116.58,59.11)
OILP_SIG: length 59.6
  Top w0.2: v1(145.87,66.89) 146.01,67.02 R53.1
  In5.Cu w0.2: J5.12 151.53,19.93 151.53,48.57 151.74,48.78 151.74,49.37 151.53,49.58 151.53,61.23 v1(145.87,66.89)
OSC_A: length 21
  Top w0.2: C7.1 v1(143.34,84.71) ; v1(146.78,100.35) 146.78,101.98 Y1.3
  In3.Cu w0.2: v1(146.78,100.35) 146.78,88.16 v1(143.34,84.71)
OSC_B: length 21.9
  Top w0.2: Y1.4 144.58,101.98 144.58,100.63 v1(144.13,100.18) ; C8.1 153.07,86.09 v1(152.35,86.09)
  In5.Cu w0.2: v1(144.13,100.18) 152.35,91.95 v1(152.35,86.09)
RELAY_COIL_LO: length 27.9
  Top w0.2: Q2.3 40.65,92.14 D2.1 41.69,93.17 v1(42.12,93.17)
  In3.Cu w0.2: v1(42.12,93.17) 56.03,107.08 K1.85
RELAY_CTRL: length 73.7
  Top w0.2: U1.5 116.09,98.94 v1(115.94,98.79) ; R3.1 48.59,92.37 53.52,92.37 v1(55.2,94.05)
  In4.Cu w0.2: v1(55.2,94.05) 60.15,99 115.73,99 v1(115.94,98.79)
RELAY_DRV: length 14.5
  Top w0.2: 49.51,93.11 48.76,93.85 36.39,93.85 Q2.1
SPI_CS_0: length 40.6
  Top w0.2: U1.9 v1(119.54,96.94) ; v1(82.3,96.61) 81.99,96.91 81.61,96.91 81.61,95.76
  In4.Cu w0.2: v1(82.3,96.61) 82.37,96.54 119.14,96.54 v1(119.54,96.94)
